# KiCad board PC104_ISA_8bits.kicad_pcb
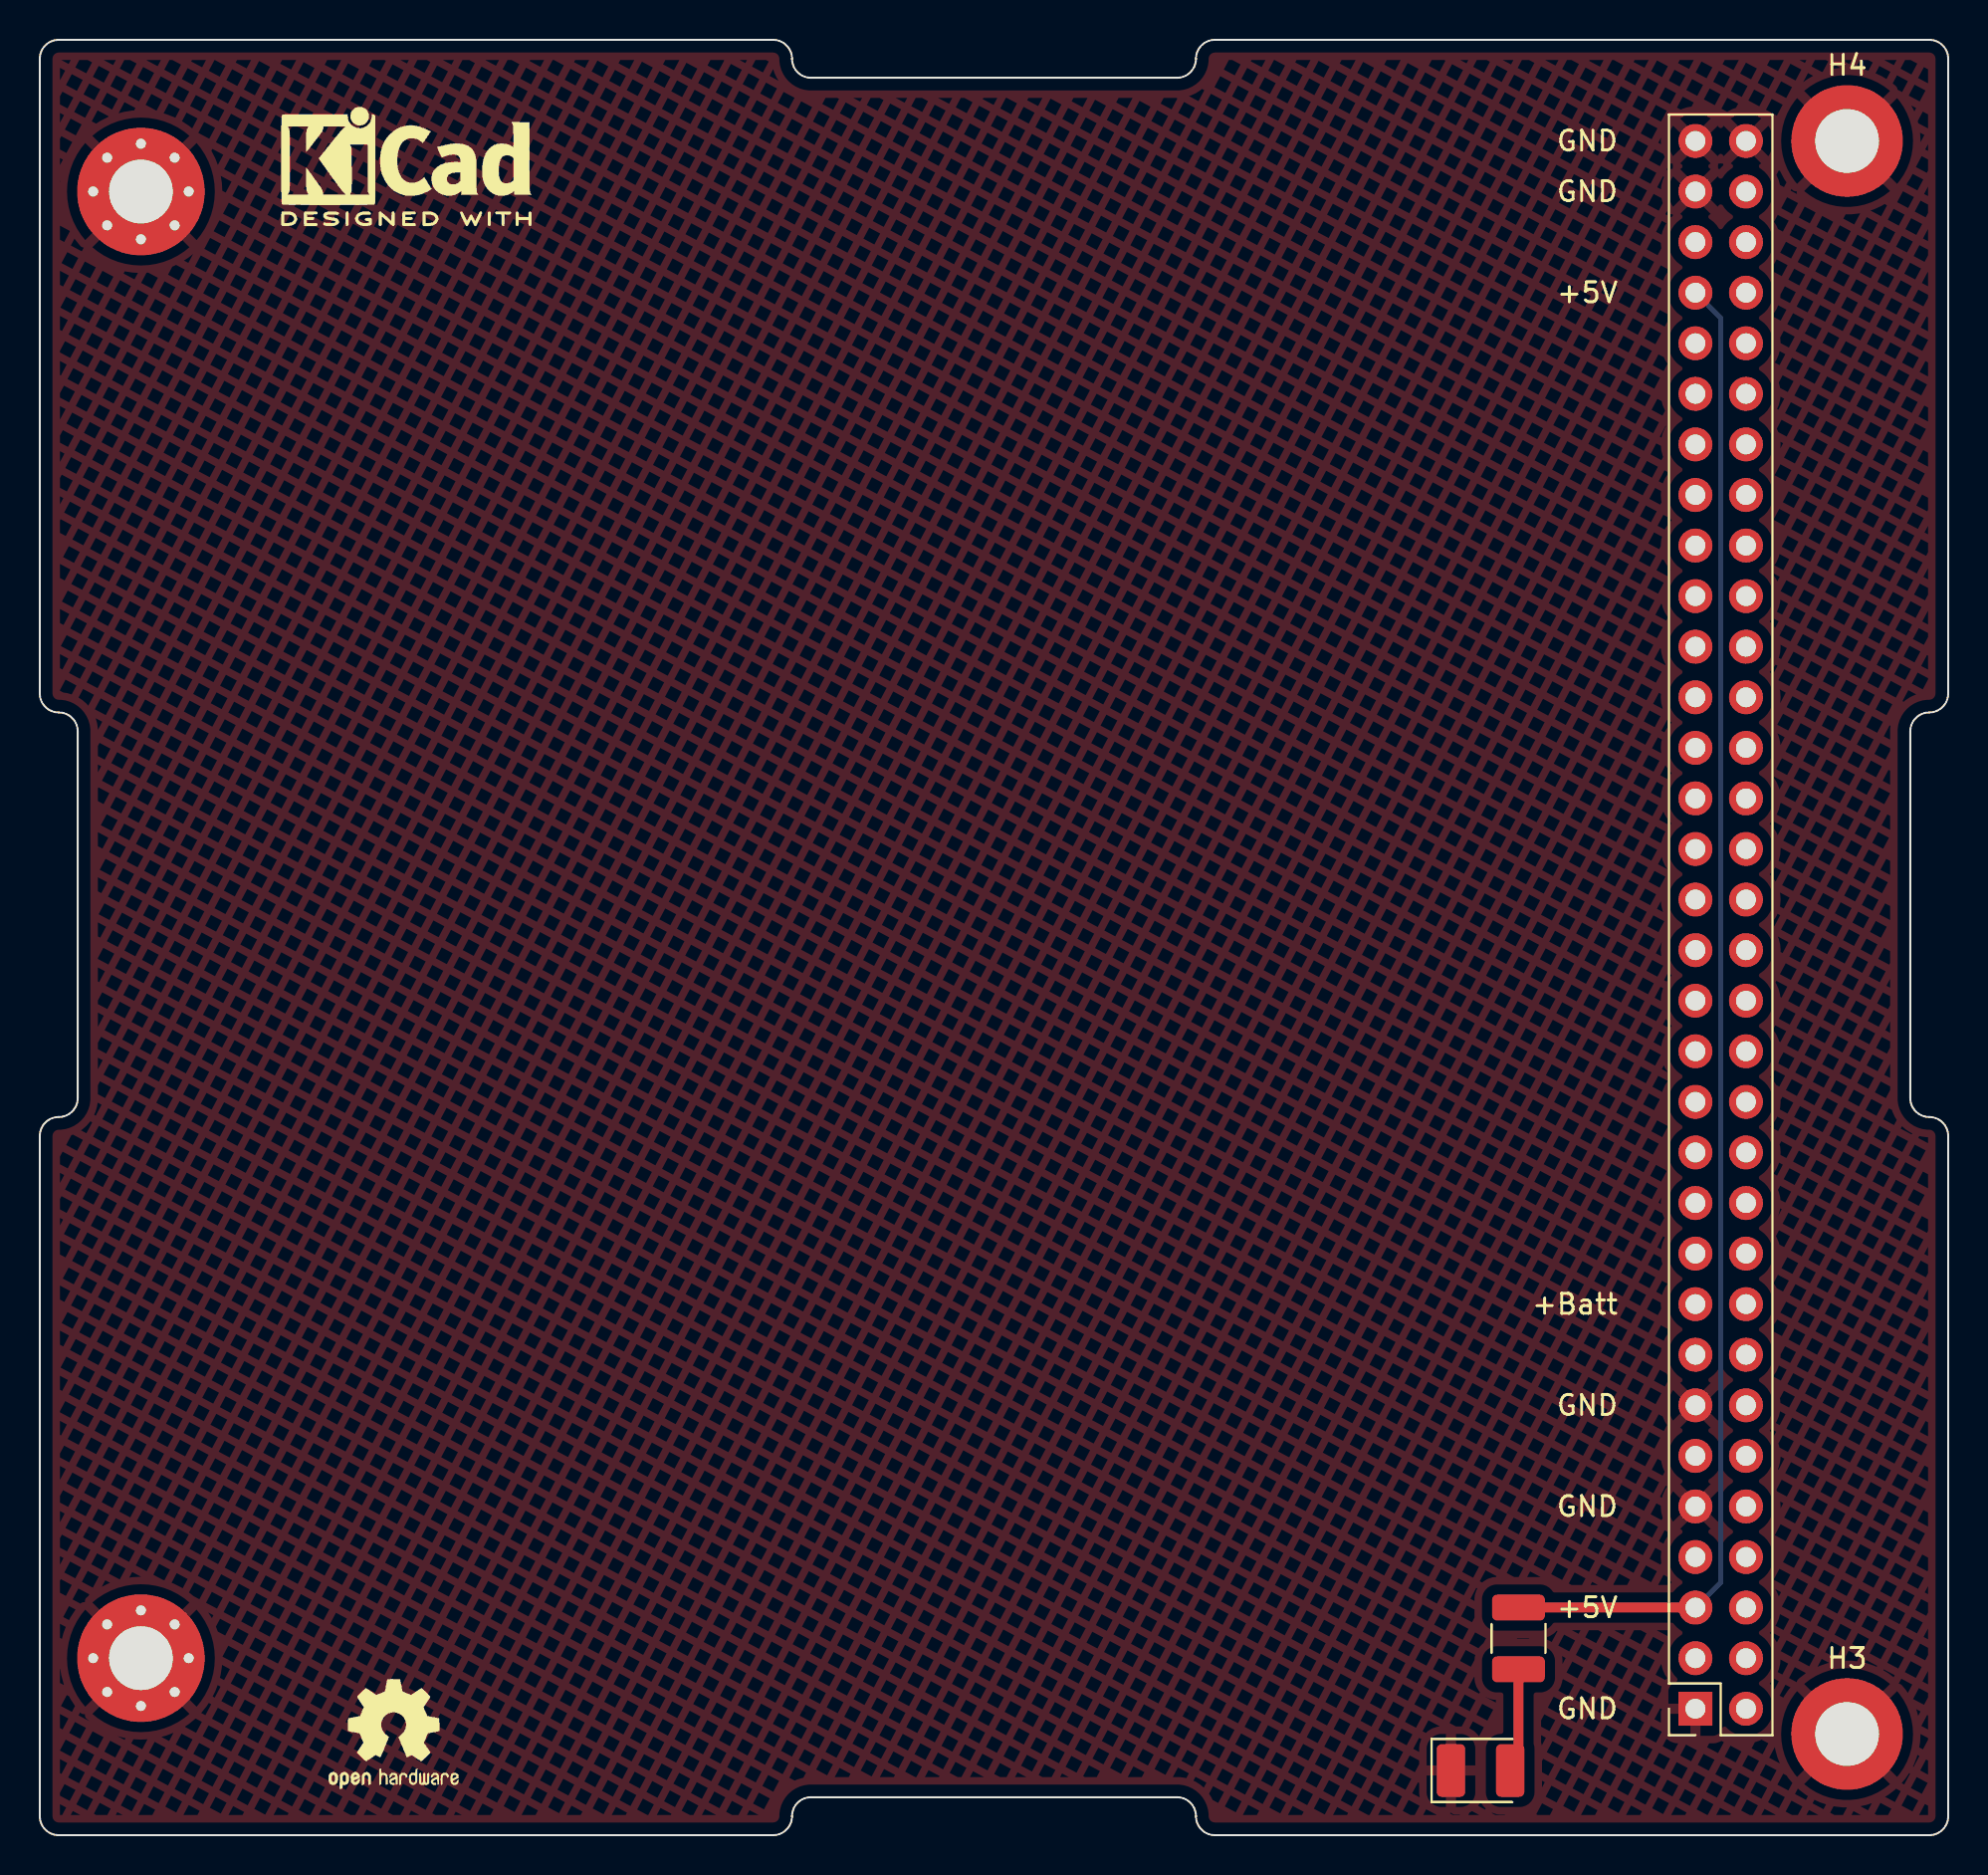
[diagram p0: board, top side]
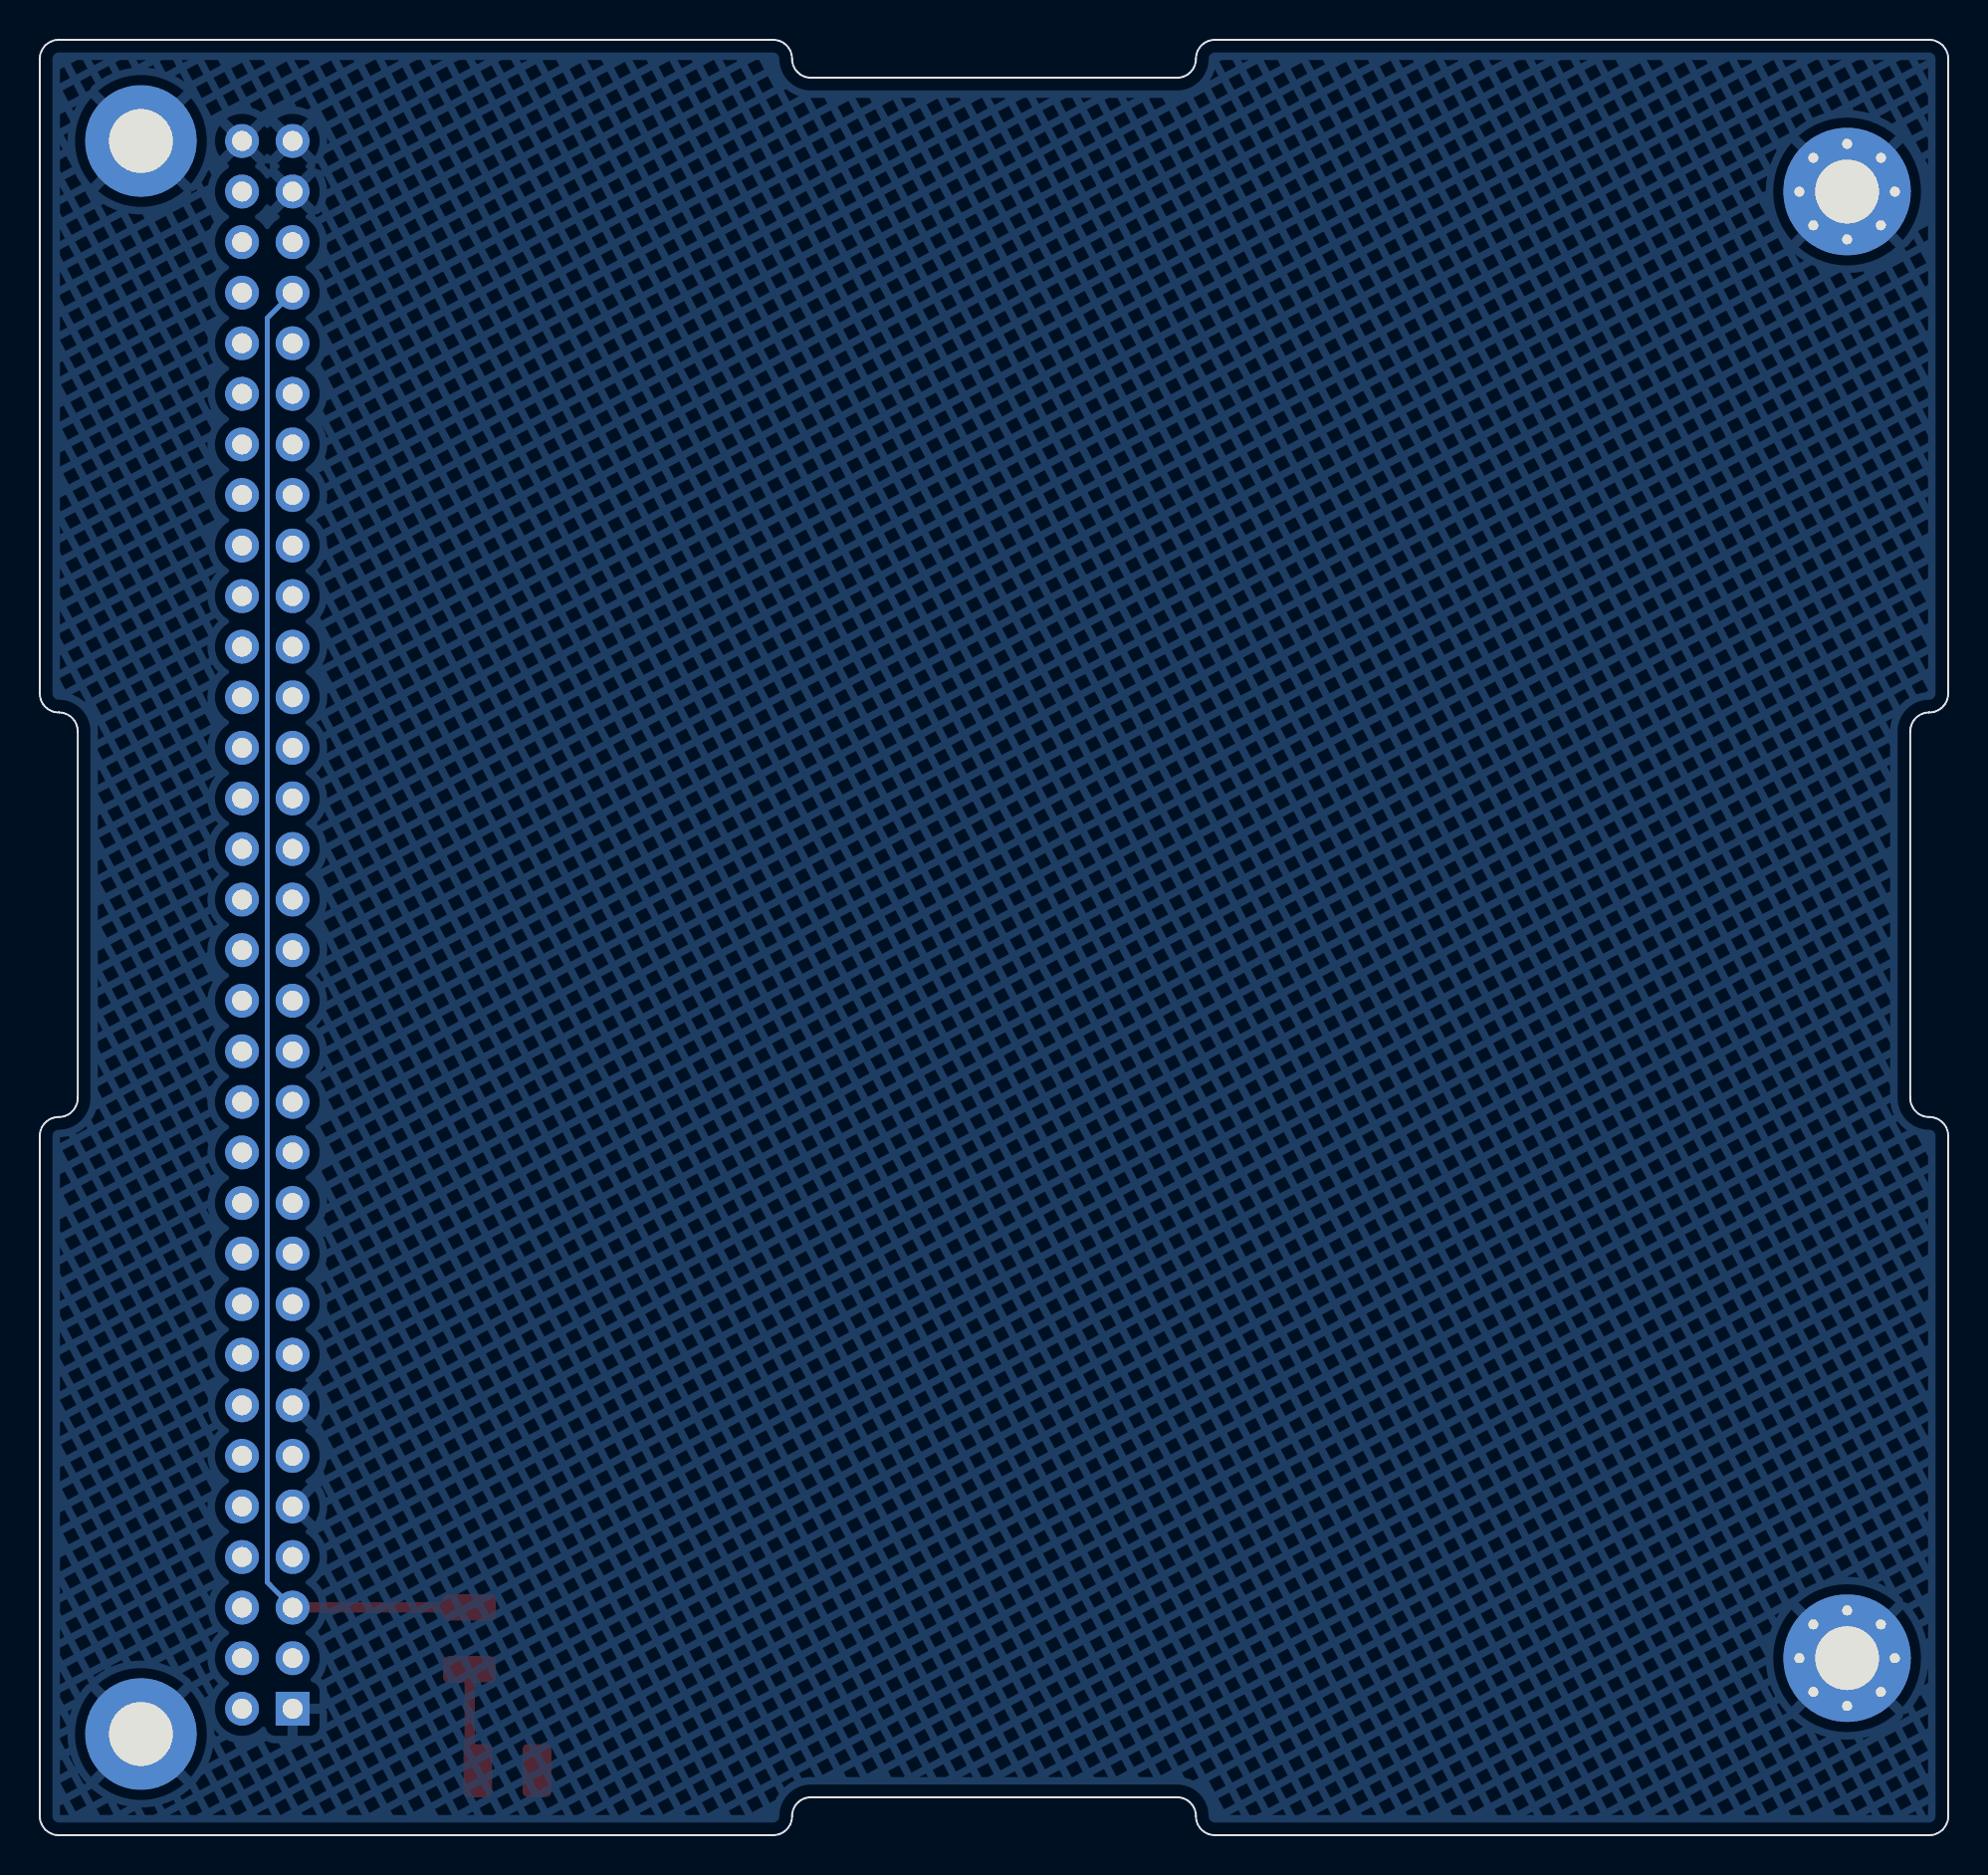
[diagram p1: board, bottom side, seen from below]

Outline 95.88 x 90.17 mm; copper layers: Top, Bottom. Coordinates in mm from the lower left corner of the outline.
Outline path: 0,89.22 arc(0.28,89.89) 0.95,90.17 36.84,90.17 arc(37.52,89.89) 37.8,89.22 arc(38.07,88.54) 38.75,88.27 57.14,88.27 arc(57.81,88.54) 58.09,89.22 arc(58.37,89.89) 59.04,90.17 94.93,90.17 arc(95.61,89.89) 95.88,89.22 95.88,57.34 arc(95.61,56.67) 94.93,56.39 arc(94.26,56.11) 93.98,55.44 93.98,37.02 arc(94.26,36.35) 94.93,36.07 arc(95.61,35.79) 95.88,35.12 95.88,0.95 arc(95.61,0.28) 94.93,0 59.04,0 arc(58.37,0.28) 58.09,0.95 arc(57.81,1.63) 57.14,1.91 38.75,1.91 arc(38.07,1.63) 37.8,0.95 arc(37.52,0.28) 36.84,0 0.95,0 arc(0.28,0.28) 0,0.95 0,35.12 arc(0.28,35.79) 0.95,36.07 arc(1.63,36.35) 1.91,37.02 1.91,55.44 arc(1.63,56.11) 0.95,56.39 arc(0.28,56.67) 0,57.34 0,89.22
Stack: Top 0.035mm / dielectric 1.51mm FR4 er 4.5 / Bottom 0.035mm

## Placement (name value [footprint] x y rotation side)
Bus_ISA_8bit_1  Bus_ISA_8bit  [PinSocket_2x32_P2.54mm_Vertical_TopBottom]  83.19 6.35 180 top
H1  MountingHole_Pad  [MountingHole_3.2mm_M3_Pad_Via]  5.08 8.89 0 top
H2  MountingHole_Pad  [MountingHole_3.2mm_M3_Pad_Via]  5.08 82.55 0 top
H3  MountingHole_Pad  [MountingHole_3.2mm_M3_DIN965_Pad]  90.81 5.08 0 top
H4  MountingHole_Pad  [MountingHole_3.2mm_M3_DIN965_Pad]  90.81 85.09 0 top
KiCad0  MountingHole  [KiCad-Logo2_5mm_SilkScreen]  18.42 83.82 0 top
LED_PWR1  LED  [LED_1210_3225Metric_Pad1.42x2.65mm_HandSolder]  72.39 3.25 0 top
OpenHW1  MountingHole  [OSHW-Logo2_7.3x6mm_SilkScreen]  17.78 5.08 0 top
R_LED_PWR1  1K  [R_1210_3225Metric_Pad1.30x2.65mm_HandSolder]  74.3 9.88 270 top

## Footprints (pads in the part's own frame, mm; a bottom-side part is the same pattern mirrored in y, then rotated)
LED_1210_3225Metric_Pad1.42x2.65mm_HandSolder
  rrect 1.425x2.65 smd: 1(-1.488,0) 2(1.488,0)
MountingHole_3.2mm_M3_DIN965_Pad
  round 5.6 hole 3.2: 1(0,0)
MountingHole_3.2mm_M3_Pad_Via
  round 0.8 hole 0.5: 1(-2.4,0) 1(-1.697,1.697) 1(-1.697,-1.697) 1(0,2.4) 1(0,-2.4) 1(1.697,1.697) 1(1.697,-1.697) 1(2.4,0)
  round 6.4 hole 3.2: 1(0,0)
PinSocket_2x32_P2.54mm_Vertical_TopBottom
  rect 1.7x1.7 hole 1: 1(0,0)
  round 1.7 hole 1: 2(0,-2.54) 3(0,-5.08) 4(0,-7.62) 5(0,-10.16) 6(0,-12.7) 7(0,-15.24) 8(0,-17.78) 9(0,-20.32) 10(0,-22.86) 11(0,-25.4) 12(0,-27.94) 13(0,-30.48) 14(0,-33.02) 15(0,-35.56) 16(0,-38.1) 17(0,-40.64) 18(0,-43.18) 19(0,-45.72) 20(0,-48.26) 21(0,-50.8) 22(0,-53.34) 23(0,-55.88) 24(0,-58.42) 25(0,-60.96) 26(0,-63.5) 27(0,-66.04) 28(0,-68.58) 29(0,-71.12) 30(0,-73.66) 31(0,-76.2) 32(0,-78.74) 33(-2.54,0) 34(-2.54,-2.54) 35(-2.54,-5.08) 36(-2.54,-7.62) 37(-2.54,-10.16) 38(-2.54,-12.7) 39(-2.54,-15.24) 40(-2.54,-17.78) 41(-2.54,-20.32) 42(-2.54,-22.86) 43(-2.54,-25.4) 44(-2.54,-27.94) 45(-2.54,-30.48) 46(-2.54,-33.02) 47(-2.54,-35.56) 48(-2.54,-38.1) 49(-2.54,-40.64) 50(-2.54,-43.18) 51(-2.54,-45.72) 52(-2.54,-48.26) 53(-2.54,-50.8) 54(-2.54,-53.34) 55(-2.54,-55.88) 56(-2.54,-58.42) 57(-2.54,-60.96) 58(-2.54,-63.5) 59(-2.54,-66.04) 60(-2.54,-68.58) 61(-2.54,-71.12) 62(-2.54,-73.66) 63(-2.54,-76.2) 64(-2.54,-78.74)
R_1210_3225Metric_Pad1.30x2.65mm_HandSolder
  rrect 1.3x2.65 smd: 1(-1.55,0) 2(1.55,0)

## Nets
+5V: Bus_ISA_8bit_1.3 Bus_ISA_8bit_1.29 R_LED_PWR1.1
GND: Bus_ISA_8bit_1.1 Bus_ISA_8bit_1.5 Bus_ISA_8bit_1.7 Bus_ISA_8bit_1.31 Bus_ISA_8bit_1.32 Bus_ISA_8bit_1.64 H1.1 H2.1 H3.1 H4.1 LED_PWR1.1
+BATT: Bus_ISA_8bit_1.9
/ADR00: Bus_ISA_8bit_1.63
/ADR01: Bus_ISA_8bit_1.62
/ADR02: Bus_ISA_8bit_1.61
/ADR03: Bus_ISA_8bit_1.60
/ADR04: Bus_ISA_8bit_1.59
/ADR05: Bus_ISA_8bit_1.58
/ADR06: Bus_ISA_8bit_1.57
/ADR07: Bus_ISA_8bit_1.56
/ADR08: Bus_ISA_8bit_1.55
/ADR09: Bus_ISA_8bit_1.54
/ADR10: Bus_ISA_8bit_1.53
/ADR11: Bus_ISA_8bit_1.52
/ADR12: Bus_ISA_8bit_1.51
/ADR13: Bus_ISA_8bit_1.50
/ADR14: Bus_ISA_8bit_1.49
/ADR15: Bus_ISA_8bit_1.48
/ADR16: Bus_ISA_8bit_1.47
/ADR17: Bus_ISA_8bit_1.46
/ADR18: Bus_ISA_8bit_1.45
/ADR19: Bus_ISA_8bit_1.44
/AEN: Bus_ISA_8bit_1.43
/BALE: Bus_ISA_8bit_1.28
/BCLK: Bus_ISA_8bit_1.20
/DATA0: Bus_ISA_8bit_1.41
/DATA1: Bus_ISA_8bit_1.40
/DATA2: Bus_ISA_8bit_1.39
/DATA3: Bus_ISA_8bit_1.38
/DATA4: Bus_ISA_8bit_1.37
/DATA5: Bus_ISA_8bit_1.36
/DATA6: Bus_ISA_8bit_1.35
/DATA7: Bus_ISA_8bit_1.34
/DRQ1: Bus_ISA_8bit_1.18
/DRQ2: Bus_ISA_8bit_1.6
/DRQ3: Bus_ISA_8bit_1.16
/IOCHRDY: Bus_ISA_8bit_1.42
/IRQ3: Bus_ISA_8bit_1.25
/IRQ4: Bus_ISA_8bit_1.24
/IRQ5: Bus_ISA_8bit_1.23
/IRQ6: Bus_ISA_8bit_1.22
/IRQ7: Bus_ISA_8bit_1.21
/IRQ9: Bus_ISA_8bit_1.4
/OSC: Bus_ISA_8bit_1.30
/RESET: Bus_ISA_8bit_1.2
/TC: Bus_ISA_8bit_1.27
/~{DACK1}: Bus_ISA_8bit_1.17
/~{DACK2}: Bus_ISA_8bit_1.26
/~{DACK3}: Bus_ISA_8bit_1.15
/~{IOCHCK}: Bus_ISA_8bit_1.33
/~{IOR}: Bus_ISA_8bit_1.14
/~{IOW}: Bus_ISA_8bit_1.13
/~{REFRESH}: Bus_ISA_8bit_1.19
/~{SMEMR}: Bus_ISA_8bit_1.12
/~{SMEMW}: Bus_ISA_8bit_1.11
/~{SRDY}: Bus_ISA_8bit_1.8
Net-(LED_PWR1-Pad2): LED_PWR1.2 R_LED_PWR1.2

Pads without a net: Bus_ISA_8bit_1 10

## Routing (per net, layer and track width the routed paths; a pad name or vN(x,y) marks a point on that pad's centre or on a via; arc(x,y) is an arc through that point)
+5V: length 76
  Top w0.5: R_LED_PWR1.1 Bus_ISA_8bit_1.3
  Bottom w0.25: Bus_ISA_8bit_1.3 84.46,12.7 84.46,76.2 Bus_ISA_8bit_1.29
Net-(LED_PWR1-Pad2): length 5.3
  Top w0.5: LED_PWR1.2 74.3,3.67 R_LED_PWR1.2

## Copper pours and planes (outline as drawn; the poured copper is in the pictures)
GND on Top, Bottom: 121.29,-24.13 -14.6,-24.13 -14.6,109.22 121.29,109.22

## Text on the board
F.Silkscreen: GND | +5V | +Batt
